# Allegro board STARRYSKY.brd (continued)
## Nets (continued)
B13_L10_P: J22.B32 U53.3(A2)
B13_L11_N: J22.B26 Q2.1(G) R109.2
B13_L11_P: J22.B27 Q3.1(G) R111.2
B13_L12_N: J22.A28
B13_L12_P: J22.A29
B13_L13_N: J22.B17 U40.1(B1)
B13_L13_P: J22.B18 U34.1(B1)
B13_L14_N: J22.B21 U36.1(B1)
B13_L14_P: J22.B22 U29.1(B1)
B13_L15_N: J22.B10 U38.1(B1)
B13_L15_P: J22.B11 U39.1(B1)
B13_L16_N: J22.B14 U45.1(B1)
B13_L16_P: J22.B15 U44.1(B1)
B13_L17_N: J22.B19 U33.1(B1)
B13_L17_P: J22.B20 U35.1(B1)
B13_L18_N: J22.B12 U27.1(B1)
B13_L18_P: J22.B13 U26.1(B1)
B13_L19_N: J22.A14
B13_L19_P: J22.A15
B13_L20_N: J22.A21
B13_L20_P: J22.A22
B13_L21_N: J22.A12
B13_L21_P: J22.A13
B13_L22_N: J22.A17
B13_L22_P: J22.A18
B13_L23_N: J22.A24
B13_L23_P: J22.A25
B13_L24_N: J22.A10 U32.1(B1)
B13_L24_P: J22.A11
B13_L25: J22.A9 U31.1(B1)
B33_L0: J23.B1
B33_L1_N: J23.B11 U48.B8(DQ2)
B33_L1_P: J23.B12 U48.B9(DQ1)
B33_L2_N: J23.B13 U48.C9(DQ3)
B33_L2_P: J23.B14
B33_L3_N: J23.B4
B33_L3_P: J23.B5
B33_L4_N: J23.B9 U48.C8(DQ4)
B33_L4_P: J23.B10 U48.A8(DQ0)
B33_L5_N: J23.B6
B33_L5_P: J23.B7
B33_L6_N: J23.A13 U48.D1(DQ10)
B33_L6_P: J23.A14
B33_L7_N: J22.B47 U41.6(A5)
B33_L7_P: J22.B48 U41.8(A7)
B33_L8_N: J22.B45 U41.1(A1)
B33_L8_P: J22.B46 U41.5(A4)
B33_L9_N: J23.B2
B33_L9_P: J23.B3
B33_L10_N: J22.A47 U41.4(A3)
B33_L10_P: J22.A48 U41.3(A2)
B33_L11_N: J22.B49 U41.9(A8)
B33_L11_P: J22.B50 U41.7(A6)
B33_L12_N: J22.A42
B33_L12_P: J22.A43
B33_L13_N: J23.A4
B33_L13_P: J23.A5 U48.A2(DQ15)
B33_L14_N: J23.A2 U48.B1(DQ14)
B33_L14_P: J23.A3
B33_L15_N: J23.A11 U48.C2(DQ11)
B33_L15_P: J23.A12 U48.D2(DQ9)
B33_L16_N: J23.A9 U48.B2(DQ13)
B33_L16_P: J23.A10
B33_L17_N: J13.5(DIO) J22.B42
B33_L17_P: J13.6(CLK) J22.B43
B33_L18_N: J22.B38 U52.4(A2)
B33_L18_P: J22.B39 U52.5(A1)
B33_L19_N: J23.A6
B33_L19_P: J23.A7
B33_L20_N: J22.A45
B33_L20_P: J22.A46
B33_L21_N: J22.A49 U43.4(A2)
B33_L21_P: J22.A50 U43.5(A1)
B33_L22_N: J13.2(DO) J22.B40
B33_L22_P: J13.1(CS#) J22.B41 R115.2
B33_L23_N: J22.A38
B33_L23_P: J22.A39
B33_L24_N: J22.A40
B33_L24_P: J22.A41
B33_L25: J23.A1 U48.C1(DQ12)
B34_L0: J23.B43
B34_L1_N: J23.A39 U48.H1(A8)
B34_L1_P: J23.A40 U48.G1(A12)
B34_L2_N: J23.A41 U48.H2(A7)
B34_L2_P: J23.A42 U48.H3(A6)
B34_L3_N: J23.A32
B34_L3_P: J23.A33 U48.G2(A11)
B34_L4_N: J23.A27 U48.F2(CLK)
B34_L4_P: J23.A28 U48.E1(DQ8)
B34_L5_N: J23.A30 U48.G3(A9)
B34_L5_P: J23.A31
B34_L6_N: J23.A34 U48.F1(UDQM)
B34_L6_P: J23.A35
B34_L7_N: J23.A37 U48.J3(A4)
B34_L7_P: J23.A38 U48.J2(A5)
B34_L8_N: J23.B41
B34_L8_P: J23.B42
B34_L9_N: J23.B30 U48.G8(BA1)
B34_L9_P: J23.B31 U48.J8(A2)
B34_L10_N: J23.B37
B34_L10_P: J23.B38
B34_L11_N: J23.B34 U48.H9(A10)
B34_L11_P: J23.B35 U48.J7(A3)
B34_L12_N: J23.B39
B34_L12_P: J23.B40 R185.2
B34_L13_N: J23.B27 U48.G7(BA0)
B34_L13_P: J23.B28
B34_L14_N: J23.B25 U48.G9(C\S\)
B34_L14_P: J23.B26 U48.F8(R\A\S\)
B34_L15_N: J23.B32 U48.H7(A0)
B34_L15_P: J23.B33 U48.H8(A1)
B34_L16_N: J23.B18
B34_L16_P: J23.B19
B34_L17_N: J23.B20 U48.E9(DQ7)
B34_L17_P: J23.B21 U48.F7(C\A\S\)
B34_L18_N: J23.B23 U48.E8(LDQM)
B34_L18_P: J23.B24 U48.F9(W\E\)
B34_L19_N: J23.A25
B34_L19_P: J23.A26 U48.F3(CKE)
B34_L20_N: J23.A20
B34_L20_P: J23.A21
B34_L21_N: J23.A18
B34_L21_P: J23.A19
B34_L22_N: J23.B16 U48.D9(DQ5)
B34_L22_P: J23.B17 U48.D8(DQ6)
B34_L23_N: J23.A16
B34_L23_P: J23.A17
B34_L24_N: J23.A23
B34_L24_P: J23.A24
B34_L25: J23.A43
B35_L0: J24.B45
B35_L1_N: J24.A43 U3.8(CHIPLINK_RX_SEND)
B35_L1_P: J24.A44 U3.7(CHIPLINK_RX_RST)
B35_L2_N: J24.A39 U3.4(CHIPLINK_RX_DATA2)
B35_L2_P: J24.A40 U3.3(CHIPLINK_RX_DATA3)
B35_L3_N: J21.38 J24.B41
B35_L3_P: J21.37 J24.B42
B35_L4_N: J24.A41 U3.6(CHIPLINK_RX_DATA0)
B35_L4_P: J24.A42 U3.5(CHIPLINK_RX_DATA1)
B35_L5_N: J24.A34 U3.141(CHIPLINK_RX_DATA7)
B35_L5_P: J24.A35 U3.142(CHIPLINK_RX_DATA6)
B35_L6_N: J24.A36 U3.143(CHIPLINK_RX_DATA5)
B35_L6_P: J24.A37 U3.144(CHIPLINK_RX_DATA4)
B35_L7_N: J21.40 J24.B43
B35_L7_P: J21.39 J24.B44
B35_L8_N: J21.36 J24.B39
B35_L8_P: J21.35 J24.B40
B35_L9_N: J21.18 J24.B34
B35_L9_P: J21.17 J24.B35
B35_L10_N: J21.11 J24.B29
B35_L10_P: J21.12 J24.B30
B35_L11_N: J21.16 J24.B32
B35_L11_P: J21.15 J24.B33
B35_L12_N: J21.20 J24.B36
B35_L12_P: J21.19 J24.B37
B35_L13_N: J21.9 J24.B27
B35_L13_P: J21.10 J24.B28
B35_L14_N: J24.A29 U3.137(CHIPLINK_TX_DATA0)
B35_L14_P: J24.A30 U3.138(CHIPLINK_TX_SEND)
B35_L15_N: J21.3 J24.B20
B35_L15_P: J21.4 J24.B21
B35_L16_N: J21.5 J24.B22
B35_L16_P: J21.6 J24.B23
B35_L17_N: J21.7 J24.B25
B35_L17_P: J21.8 J24.B26
B35_L18_N: J21.1 J24.B18
B35_L18_P: J21.2 J24.B19
B35_L19_N: J24.A27 U3.135(CHIPLINK_TX_DATA2)
B35_L19_P: J24.A28 U3.136(CHIPLINK_TX_DATA1)
B35_L20_N: J24.A32 U3.139(CHIPLINK_TX_RST)
B35_L20_P: J24.A33 U3.140(CHIPLINK_TX_CLK)
B35_L21_N: J24.A25 U3.133(CHIPLINK_TX_DATA4)
B35_L21_P: J24.A26 U3.134(CHIPLINK_TX_DATA3)
B35_L22_N: J24.A18
B35_L22_P: J24.A19
B35_L23_N: J24.A20
B35_L23_P: J24.A21 U3.126(CHIPLINK_TX_DATA7)
B35_L24_N: J24.A22 U3.131(CHIPLINK_TX_DATA6)
B35_L24_P: J24.A23 U3.132(CHIPLINK_TX_DATA5)
B35_L25: J24.A45 U3.9(CHIPLINK_RX_CLK)
CLK_CFG0: R35.1 SW5.9(B8) U3.100(CLK_CFG0)
CLK_CFG1: R36.1 SW5.10(B7) U3.99(CLK_CFG1)
CLK_CFG2: R33.1 SW5.11(B6) U3.98(CLK_CFG2)
CLK_CFG3: R32.1 SW5.12(B5) U3.97(CLK_CFG3)
CLK_CFG4: R31.1 SW5.13(B4) U3.96(CLK_CFG4)
CLK_CFG5: R29.1 SW5.14(B3) U3.95(CLK_CFG5)
CLK_CFG6: R28.1 SW5.15(B2) U3.94(CLK_CFG6)
CORE_DIP0: R42.1 SW7.7(B6) U3.79(CORE_DIP0)
CORE_DIP1: R41.1 SW7.8(B5) U3.78(CORE_DIP1)
CORE_DIP2: R40.1 SW7.9(B4) U3.77(CORE_DIP2)
CORE_DIP3: R39.1 SW7.10(B3) U3.76(CORE_DIP3)
FLASH_CLK: J6.6(CLK) U11.4(A)
FLASH_CS: J6.1(CS#) R61.2 U10.4(A)
FLASH_MISO: J6.2(DO) U14.4(A)
FLASH_MOSI: J6.5(DIO) U12.4(A)
FPGA_TCK: J8.1 J24.A50 U18.1(IN1) U18.10(OUT1)
FPGA_TDI: J8.9 J24.A48 U18.5(IN4) U18.6(OUT4)
FPGA_TDO: J8.3 J24.A47 U18.2(IN2) U18.9(OUT2)
FPGA_TMS: J8.5 J24.A49 U18.4(IN3) U18.7(OUT3)
HFP_BOOT0: R58.1 SW10.1 SW10.2 U16.44(BOOT0)
HFP_NRST: C74.1 SW9.1 SW9.2 U16.7(NRST)
HFP_PA2: R59.1 U16.12(PA2)
HFP_SPI1_CLK: U11.1(B1) U13.7(A6)
HFP_SPI1_CS: U10.1(B1) U13.6(A5)
HFP_SPI1_MISO: U13.8(A7) U14.1(B1)
HFP_SPI1_MOSI: U12.1(B1) U13.9(A8)
HFP_SWCLK: TP6.1 U16.37(PA14)
HFP_SWDIO: TP5.1 U16.34(PA13)
MAIN_DN: J1.A7(DN1) J1.B7(DN2) U9.4(A)
MAIN_DP: J1.A6(DP1) J1.B6(DP2) U7.4(A)
MR: C85.1 J24.B50 R77.2 SW14.1 SW14.2
OSC_25M_IN: R13.2 U3.91(OSC_25M_IN)
OSC_100M_IN: R5.2 U3.88(OSC_100M_IN)
PA_CTRL: R162.2 SW19.2 U49.1(CTRL) U51.1(CTRL)
PA_INLN: R167.1 U49.4(INN)
PA_INLP: R166.1 U49.3(INP)
PA_INRN: R172.1 U51.4(INN)
PA_INRP: R171.1 U51.3(INP)
PA_OUTLN: R177.1 U49.5(VON)
PA_OUTLP: R175.1 U49.8(VOP)
PA_OUTRN: R180.1 U51.5(VON)
PA_OUTRP: R178.1 U51.8(VOP)
PERIP_SEL: SW17.2 U26.6(SEL) U27.6(SEL) U29.6(SEL) U30.6(SEL) U31.6(SEL) U32.6(SEL) U33.6(SEL) U34.6(SEL) U35.6(SEL) U36.6(SEL) U37.6(SEL) U38.6(SEL) U39.6(SEL) U40.6(SEL) U44.6(SEL) U45.6(SEL)
PG_1V35: J24.B47 R11.1
PL_UART_VBUS: J19.A4B9(VBUS#A4B9) J19.B4A9(VBUS#B4A9)
PLL_CFG0: R25.1 SW4.5(B4) U3.101(PLL_CFG0)
PLL_CFG1: R23.1 SW4.6(B3) U3.102(PLL_CFG1)
PLL_CFG2: R21.1 SW4.7(B2) U3.103(PLL_CFG2)
PROG_SEL: SW8.2 U7.6(SEL) U9.6(SEL) U10.6(SEL) U11.6(SEL) U12.6(SEL) U14.6(SEL)
PS2_CLK: U25.4(A2) U45.4(A)
PS2_DAT: U25.5(A1) U44.4(A)
PS_MIO0: J25.B33
PS_MIO1: J25.A33
PS_MIO2: J25.A32 R82.2
PS_MIO3: J25.A31 R80.2
PS_MIO4: J25.A30 R67.1 SW13.3(B2)
PS_MIO5: J25.A28 R66.1 SW13.4(B1)
PS_MIO6: J25.A27 R79.2
PS_MIO7: J25.A26 R78.2
PS_MIO8: J25.A25 R76.2
PS_MIO9: J25.B32
PS_MIO10: J25.B31
PS_MIO11: J25.B30
PS_MIO12: J25.B28
PS_MIO13: J25.B27
PS_MIO14: J25.B26
PS_MIO15: J25.B25
PS_MIO16: J25.A23
PS_MIO17: J25.A22
PS_MIO18: J25.A21
PS_MIO19: J25.A20
PS_MIO20: J25.A18
PS_MIO21: J25.A17
PS_MIO22: J25.A16
PS_MIO23: J25.A15
PS_MIO24: J25.A13
PS_MIO25: J25.A12
PS_MIO26: J25.A11
PS_MIO27: J25.A10
PS_MIO28: J25.B23 U23.7(DATA4)
PS_MIO29: J25.B22 U23.31(DIR)
PS_MIO30: J25.B21 U23.29(STP)
PS_MIO31: J25.B20 U23.2(NXT)
PS_MIO32: J25.B18 U23.3(DATA0)
PS_MIO33: J25.B17 U23.4(DATA1)
PS_MIO34: J25.B16 U23.5(DATA2)
PS_MIO35: J25.B15 U23.6(DATA3)
PS_MIO36: J25.B13 R99.1
PS_MIO37: J25.B12 U23.9(DATA5)
PS_MIO38: J25.B11 U23.10(DATA6)
PS_MIO39: J25.B10 U23.13(DATA7)
PS_MIO40: J25.B8 R87.1
PS_MIO41: J25.B7 U19.6(A5)
PS_MIO42: J25.B6 U19.8(A7)
PS_MIO43: J25.B5 U19.9(A8)
PS_MIO44: J25.B3 U19.4(A3)
PS_MIO45: J25.B2 U19.5(A4)
PS_MIO46: C95.2 J25.B1 R92.2 U23.27(RESETB)
PS_MIO47: J7.9(CD) J25.A8 R75.2
PS_MIO48: J25.A7 U20.5(A1)
PS_MIO49: J25.A6 U20.4(A2)
PS_MIO50: J25.A5
PS_MIO51: J25.A3 Q1.1(G) R83.2
PS_MIO52: J25.A2 R85.1 SW15.3 SW15.4
PS_MIO53: J25.A1 R88.1 SW16.3 SW16.4
PS_SD_CLK: R70.1 U19.14(B6)
PS_SD_CMD: J7.3(CMD) R64.2 U19.15(B5)
PS_SD_D0: J7.7(DAT0) R72.2 U19.13(B7)
PS_SD_D1: J7.8(DAT1) R74.2 U19.12(B8)
PS_SD_D2: J7.1(DAT2) R65.2 U19.17(B3)
PS_SD_D3: J7.2(CD/DAT3) R68.2 U19.16(B4)
PS_SRST_B: C83.1 J24.B49 R69.2 SW12.1 SW12.2
PS_UART_DN: J9.A7(DN1) J9.B7(DN2) U22.5(D-)
PS_UART_DP: J9.A6(DP1) J9.B6(DP2) U22.4(D+)
PS_USB_DN: J10.2(D-) U23.19(DM)
PS_USB_DP: J10.3(D+) U23.18(DP)
SOC_PS2_CLK: U3.45(PS2_CLK) U45.3(B0)
SOC_PS2_DAT: U3.46(PS2_DAT) U44.3(B0)
SOC_SDRAM_ADDR00: U3.115(SDRAM_ADDR00) U5.H7(A0)
SOC_SDRAM_ADDR01: U3.10(SDRAM_ADDR01) U5.H8(A1)
SOC_SDRAM_ADDR02: U3.11(SDRAM_ADDR02) U5.J8(A2)
SOC_SDRAM_ADDR03: U3.12(SDRAM_ADDR03) U5.J7(A3)
SOC_SDRAM_ADDR04: U3.13(SDRAM_ADDR04) U5.J3(A4)
SOC_SDRAM_ADDR05: U3.14(SDRAM_ADDR05) U5.J2(A5)
SOC_SDRAM_ADDR06: U3.15(SDRAM_ADDR06) U5.H3(A6)
SOC_SDRAM_ADDR07: U3.16(SDRAM_ADDR07) U5.H2(A7)
SOC_SDRAM_ADDR08: U3.17(SDRAM_ADDR08) U5.H1(A8)
SOC_SDRAM_ADDR09: U3.18(SDRAM_ADDR09) U5.G3(A9)
SOC_SDRAM_ADDR10: U3.23(SDRAM_ADDR10) U5.H9(A10)
SOC_SDRAM_ADDR11: U3.24(SDRAM_ADDR11) U5.G2(A11)
SOC_SDRAM_ADDR12: U3.25(SDRAM_ADDR12) U5.G1(A12)
SOC_SDRAM_BA0: U3.26(SDRAM_BA0) U5.G7(BA0)
SOC_SDRAM_BA1: U3.27(SDRAM_BA1) U5.G8(BA1)
SOC_SDRAM_CAS: U3.119(SDRAM_CAS) U5.F7(C\A\S\)
SOC_SDRAM_CKE: U3.124(SDRAM_CKE) U5.F3(CKE)
SOC_SDRAM_CLK: U3.123(SDRAM_CLK) U5.F2(CLK)
SOC_SDRAM_CS: U3.121(SDRAM_CS) U5.G9(C\S\)
SOC_SDRAM_DATA00: U3.28(SDRAM_DATA00) U5.A8(DQ0)
SOC_SDRAM_DATA01: U3.29(SDRAM_DATA01) U5.B9(DQ1)
SOC_SDRAM_DATA02: U3.30(SDRAM_DATA02) U5.B8(DQ2)
SOC_SDRAM_DATA03: U3.31(SDRAM_DATA03) U5.C9(DQ3)
SOC_SDRAM_DATA04: U3.32(SDRAM_DATA04) U5.C8(DQ4)
SOC_SDRAM_DATA05: U3.33(SDRAM_DATA05) U5.D9(DQ5)
SOC_SDRAM_DATA06: U3.34(SDRAM_DATA06) U5.D8(DQ6)
SOC_SDRAM_DATA07: U3.35(SDRAM_DATA07) U5.E9(DQ7)
SOC_SDRAM_DATA08: U3.44(SDRAM_DATA08) U5.E1(DQ8)
SOC_SDRAM_DATA09: U3.43(SDRAM_DATA09) U5.D2(DQ9)
SOC_SDRAM_DATA10: U3.42(SDRAM_DATA10) U5.D1(DQ10)
SOC_SDRAM_DATA11: U3.41(SDRAM_DATA11) U5.C2(DQ11)
SOC_SDRAM_DATA12: U3.40(SDRAM_DATA12) U5.C1(DQ12)
SOC_SDRAM_DATA13: U3.39(SDRAM_DATA13) U5.B2(DQ13)
SOC_SDRAM_DATA14: U3.38(SDRAM_DATA14) U5.B1(DQ14)
SOC_SDRAM_DATA15: U3.37(SDRAM_DATA15) U5.A2(DQ15)
SOC_SDRAM_DQM0: U3.117(SDRAM_DQM0) U5.E8(LDQM)
SOC_SDRAM_DQM1: U3.118(SDRAM_DQM1) U5.F1(UDQM)
SOC_SDRAM_RAS: U3.122(SDRAM_RAS) U5.F8(R\A\S\)
SOC_SDRAM_WE: U3.120(SDRAM_WE) U5.F9(W\E\)
SOC_SPI_CLK: R20.2 U11.3(B0) U13.4(A3)
SOC_SPI_CS0: R22.2 U10.3(B0)
SOC_SPI_CS1: R24.2 U13.1(A1)
SOC_SPI_MISO: R37.2 U13.5(A4) U14.3(B0)
SOC_SPI_MOSI: R38.2 U12.3(B0) U13.3(A2)
SOC_UART_RX: U3.47(UART_RX) U15.4(A2)
SOC_UART_TX: U3.48(UART_TX) U15.5(A1)
SOC_VGA_B0: U3.61(VGA_B0) U37.3(B0)
SOC_VGA_B1: U3.62(VGA_B1) U38.3(B0)
SOC_VGA_B2: U3.63(VGA_B2) U39.3(B0)
SOC_VGA_B3: U3.64(VGA_B3) U40.3(B0)
SOC_VGA_G0: U3.57(VGA_G0) U34.3(B0)
SOC_VGA_G1: U3.58(VGA_G1) U33.3(B0)
SOC_VGA_G2: U3.59(VGA_G2) U35.3(B0)
SOC_VGA_G3: U3.60(VGA_G3) U36.3(B0)
SOC_VGA_HS: U3.65(VGA_HS) U26.3(B0)
SOC_VGA_R0: U3.49(VGA_R0) U29.3(B0)
SOC_VGA_R1: U3.50(VGA_R1) U30.3(B0)
SOC_VGA_R2: U3.51(VGA_R2) U31.3(B0)
SOC_VGA_R3: U3.56(VGA_R3) U32.3(B0)
SOC_VGA_VS: U3.66(VGA_VS) U27.3(B0)
SYS_RST: R30.1 U3.81(SYS_RST)
USB_HOST_VBUS: C92.1 C94.1 J10.1(VCC) R90.1 U21.1(OUT)
USB_VBUS: R90.2 U23.22(VBUS)
USB_XIN: C96.1 R97.2 U23.26(REFCLK) X2.3(OUT2)
USB_XOUT: C100.1 R97.1 U23.25(XO) X2.1(OUT1)
VGA_B: J12.3 R113.2 R116.2 R117.2 R119.2
VGA_B0: R113.1 U37.4(A)
VGA_B1: R116.1 U38.4(A)
VGA_B2: R117.1 U39.4(A)
VGA_B3: R119.1 U40.4(A)
VGA_G: J12.2 R120.2 R121.2 R122.2 R123.2
VGA_G0: R120.1 U34.4(A)
VGA_G1: R121.1 U33.4(A)
VGA_G2: R122.1 U35.4(A)
VGA_G3: R123.1 U36.4(A)
VGA_HS: U26.4(A) U46.5(A1)
VGA_R: J12.1 R124.2 R125.2 R126.2 R127.2
VGA_R0: R124.1 U29.4(A)
VGA_R1: R125.1 U30.4(A)
VGA_R2: R126.1 U31.4(A)
VGA_R3: R127.1 U32.4(A)
VGA_VS: U27.4(A) U46.4(A2)
N00440: R1.2 R9.1 U1.7(ADJ)
N86942: J5.1(DAT2) R49.2
N86952: C69.1 C70.1 J5.4(VDD) L5.1 R48.1 R49.1 R50.1 R52.1 R53.1 R54.1
N87161: J5.8(DAT1) R53.2
N87165: J5.9(CD) R54.2
N88472: J5.5(CLK) R51.2
N431069: J9.A5(CC1) R86.2
N431077: J9.B5(CC2) R89.1
N431628: C101.1 C102.1 R95.2 R98.2 R103.1 U22.7(REGIN) U22.8(VBUS)
N431648: R103.2 U22.9(R\S\T\)
N431656: R100.1 U22.25(RXD)
N431784: R101.1 U22.26(TXD)
N431936: C105.1 U22.6(VDD)
N433168: C86.1 C87.1 J7.4(VDD) L6.1 R64.1 R65.1 R68.1 R72.1 R74.1 R75.1
N433298: J7.5(CLK) R70.2
N435237: R84.2 U19.10(OE)
N436006: R87.2 U19.7(A6)
N437148: R102.2 U23.24(RBIAS)
N438146: C103.1 U23.20(VDD33)
N441316: R96.1 U23.23(ID)
N449849: C113.1 J12.14 R114.1
N450407: C114.1 J12.13 R118.1
N498562: J1.A5(CC1) R3.2
N498570: J1.B5(CC2) R7.1
N507684: R59.2 SW11.1 SW11.2
N507712: C77.1 U16.6(PD1-OSC_OUT) X1.3(OUT2)
N507720: C75.1 U16.5(PD0-OSC_IN) X1.1(OUT1)
N507990: LED2.1 R60.1
N508938: R60.2 U16.11(PA1)
N559792: LED3.1 R81.2
N575792: C111.1 U28.2(OSCO) X3.2(OUT2)
N575796: C109.1 U28.1(OSCI) X3.1(OUT1)
N624567: R10.2 R15.1 U2.7(ADJ)
N629111: R16.2 R19.1 U4.7(ADJ)
N634293: D1.2 F1.1 SW3.1
N645689: SW2.2 SW3.2
N717871: LED6.4(DIN) LED7.2(DOUT)
N717951: LED8.4(DIN) LED9.2(DOUT)
N717983: LED6.2(DOUT) LED9.4(DIN)
N774966: R106.2 U25.6(OE)
N1016845: C131.1 R136.2 U47.2(DVDD) U47.3(PVDD)
N1025881: C140.1 R139.2 U47.28(CCLK)
N1025885: C142.1 R141.2 U47.27(CDATA)
N1032099: C136.1 U47.12(LOUT1)
N1032103: C137.1 U47.11(ROUT1)
N1032107: C138.1 U47.15(LOUT2)
N1032111: C141.1 U47.14(ROUT2)
N1032115: C136.2 R138.1
N1032235: C137.2 R140.1
N1032239: C138.2 R142.1
N1032243: C141.2 R147.1
N1033352: C128.1 C132.1 R134.1 U47.17(AVDD)
N1035096: C139.2 R143.1
N1035873: J15.4 R143.2
N1036255: C135.2 R137.1
N1036291: J15.5 R137.2
N1040423: C154.2 U49.2(BYPASS)
N1041149: C157.1 CP1.1 L8.1 U49.6(VCC)
N1043510: C175.2 U51.2(BYPASS)
N1043522: C178.1 CP2.1 L9.1 U51.6(VCC)
N1044805: C155.1 R166.2
N1045243: C156.1 R167.2
N1046845: C176.1 R171.2
N1046905: C177.1 R172.2
N1047489: C184.2 C188.1 J18.1 R175.2
N1047504: C187.2 C188.2 J18.2 R177.2
N1048861: C189.2 C191.1 J20.1 R178.2
N1048873: C190.2 C191.2 J20.2 R180.2
N1060725: R26.2 R30.2 U6.1(R\E\S\E\T\)
N1060741: C39.1 U6.4(CT)
N1060773: C40.1 R27.2 R34.1 U6.5(SENSE)
N1061023: SW6.3 SW6.4 U6.3(M\R\)
N1068465: TP2.1 U3.89(OSC_100M_OUT)
N1068527: TP1.1 U3.92(OSC_25M_OUT)
N1069993: R24.1 U3.73(SPI_CS_1)
N1070009: R22.1 U3.74(SPI_CS_0)
N1070035: R20.1 U3.75(SPI_CLK)
N1070331: R37.1 U3.67(SPI_MISO)
N1070335: R38.1 U3.68(SPI_MOSI)
N1070971: TP3.1 U3.80(CLKDIV4_OUT)
N1075867: C7.1 J2.5(OUT) R5.1
N1075871: C8.1 C9.1 J2.8(VDD) L1.1 R8.2
N1075903: J2.1(ED) R8.1
N1076105: C16.1 J4.5(OUT) R13.1
N1076109: C17.1 C18.1 J4.8(VDD) L2.1 R14.2
N1076141: J4.1(ED) R14.1
N1077806: R46.1 U8.25(RXD)
N1077810: R47.1 U8.26(TXD)
N1077826: C64.1 C65.1 R43.2 R45.2 R56.1 U8.7(REGIN) U8.8(VBUS)
N1077882: C66.1 U8.6(VDD)
N1077894: R56.2 U8.9(R\S\T\)
N1078264: R57.2 U15.6(OE)
N1096893: R55.2 U13.10(OE)
N1118220: J24.B48 R182.1
N1153235: C160.1 C161.1 R164.2 R165.2 R173.1 U50.7(REGIN) U50.8(VBUS)
N1153239: R173.2 U50.9(R\S\T\)
N1153317: R169.1 U50.25(RXD)
N1153457: R170.1 U50.26(TXD)
N1153581: C181.1 U50.6(VDD)
N1154399: J16.1(DAT2) R144.2
N1154403: C149.1 C150.1 J16.4(VDD) L7.1 R144.1 R145.1 R146.1 R157.1 R159.1 R160.1
N1154433: J16.8(DAT1) R159.2
N1154437: J16.9(CD) R160.2
N1154485: J16.5(CLK) R155.2
N1166259: C129.1 J14.3(RESET) R133.2
N1168293: C127.2 J14.1(LEDA) R132.2
N1175177: R128.2 U41.10(OE)
N1177861: R130.2 U43.6(OE)
N1178612: R174.2 U52.6(OE)
N1182217: J19.B5(CC2) R181.1
N1182225: J19.A5(CC1) R179.2
N1236156: R131.2 U46.6(OE)
N1258808: R93.2 U21.4(EN) U23.17(CPEN)
N1261388: R94.1 U21.3(O\C\)
N1264101: R99.2 U23.1(CLKOUT)
N1283602: J17.5 R156.2 R158.2
N1283632: J17.4 R161.2
N1283819: C144.2 C145.2 C146.1 R158.1
N1283976: C146.2 C147.2 C148.1 R154.1 R161.1
N1284993: C143.2 R152.2 R154.2
N1291698: R176.2 U53.10(OE)
N1323900: C192.1 R183.2 R184.2 X4.1(OE) X4.4(VDD)
N1324938: R185.1 X4.3(OUT)
N1330493: R71.2 SW13.1(A1)
N1330497: R73.2 SW13.2(A2)
N1342417: R91.2 U20.6(OE)
N1355350: LED3.2 Q1.3(D)
N1362704: LED4.1 R104.2
N1362750: LED4.2 Q2.3(D)
N1364060: LED5.1 R110.2
N1364098: LED5.2 Q3.3(D)
N1388907: R44.2 SW8.3
N1391083: R105.2 SW17.3
N1427381: R129.2 U42.6(OE)
N1454879: R4.2 R6.2 U1.2(EN)
N1456438: R11.2 R12.2 U2.2(EN)
N1456943: R17.2 R18.2 U4.2(EN)
N9731310: SW1.2 SW2.1
N9740650: LED1.1 R2.1
N9768250: R63.1 U16.20(PB2)

Pads without a net: H1 1; H2 1; H3 1; H4 1; J1 5 6 A8 B8; J3 5 6 A5 A6 A7 A8 B5 B6 B7 B8; J5 14 15; J7 14 15; J8 6 7 8; J9 5 6 A8 B8; J10 7 8; J11 2 6; J12 4 9 11 12 15; J15 8 9; J16 14 15; J17 6 7 8 9; J19 5 6 A8 B8; J21 13 14; J24 A2 A3 A5 A6 A8 A9 A11 A12 A14 A15 B2 B3 B5 B6 B8 B9 B11 B12 B14 B15; J25 A35 A36 A37 A38 A39 A40 A41 A42 B35 B36 B37 B38 B39 B40 B41 B42; LED8 2; SW3 3 4 5 6; SW4 1 8; SW5 1 16; SW7 1 2 11 12; SW8 4 5 6 7 8; SW17 4 5 6 7 8; SW19 3 4 5 6 7 8; U1 1 4 5; U2 1 4 5; U4 1 4 5; U5 E2; U8 1 2 10 11 12 13 14 15 16 17 18 19 20 21 22 23 24 27 28; U16 1 2 3 4 10 13 18 19 21 22 29 30 31 38 39 40 41 42 43 45 46; U19 1 3 18 20; U22 1 2 10 11 12 13 14 15 16 17 18 19 20 21 22 23 24 27 28; U23 12 15 16; U28 3 7; U42 1 4; U47 9 23 24 25; U48 E2; U50 1 2 10 11 12 13 14 15 16 17 18 19 20 21 22 23 24 27 28; U53 7 8 9 12 13 14

## Via types
v1: diameter 0.457, hole 0.203, TOP to BOTTOM, 1481 vias

## Routing (per net, layer and track width the routed paths; a pad name or vN(x,y) marks a point on that pad's centre or on a via; arc(x,y) is an arc through that point)
3V3_HFP_SPI1_CLK: length 25.4
  TOP w0.203: U13.14 v1(52.09,16.46) ; U16.15 v1(37.59,8.56)
  BOTTOM w0.203: v1(37.59,8.56) 38.44,8.56 40.22,6.79 41.34,6.79 41.89,7.34 41.89,8.72 42.36,9.19 42.89,9.19 45.83,12.14 51.4,12.14 52.09,12.83 v1(52.09,16.46)
3V3_HFP_SPI1_CS: length 25.5
  TOP w0.203: U13.15 v1(52.74,15.6) ; U16.14 v1(36.66,8.06)
  BOTTOM w0.203: v1(36.66,8.06) 38.27,8.06 40.01,6.32 42.58,6.32 43.06,6.79 43.06,6.79 43.33,7.06 43.33,7.06 45.57,9.31 46.98,9.31 49.15,11.48 51.39,11.48 52.74,12.83 v1(52.74,15.6)
3V3_HFP_SPI1_MISO: length 20.7
  TOP w0.203: U13.13 v1(51.44,15.6) ; U16.16 v1(36.66,9.06)
  BOTTOM w0.203: v1(51.44,15.6) 50.98,15.6 48.19,12.81 44.81,12.81 41.06,9.06 v1(36.66,9.06)
3V3_HFP_SPI1_MOSI: length 19.2
  TOP w0.203: U13.12 v1(50.79,16.46) ; U16.17 v1(37.59,9.56)
  BOTTOM w0.203: v1(50.79,16.46) 50.46,16.14 49.98,16.14 47.06,13.22 41.82,13.22 38.17,9.56 v1(37.59,9.56)
3V3_HFP_SPI2_CLK: length 10.2
  TOP w0.203: U16.26 v1(36.81,16.53) ; U17.6 v1(32.51,21.07)
  ART03 w0.203: v1(32.51,21.07) 33.18,20.41 33.18,19.4 36.04,16.53 v1(36.81,16.53)
3V3_HFP_SPI2_CS: length 8.6
  TOP w0.203: U16.25 37.31,15.65 v1(37.56,15.9) 38.09,16.43 U17.1 ; R62.2 v1(34.42,17.16)
  ART03 w0.203: v1(34.42,17.16) 35.69,15.9 v1(37.56,15.9)
3V3_HFP_SPI2_MISO: length 6.6
  TOP w0.203: U17.2 37.28,19.8 36.14,18.66 36.14,15.56 36.31,15.39 U16.27
3V3_HFP_SPI2_MOSI: length 11
  TOP w0.203: U17.5 33.17,22.34 35.81,19.7 U16.28
3V3_HFP_USB_DN: length 16.5
  TOP w0.203: v1(42.44,11.32) U9.1 ; U16.32 33.81,13.69 33.72,13.59 33.72,12.22 v1(33.98,11.95)
  ART03 w0.203: v1(42.44,11.32) 43.7,11.32 43.91,11.11 43.91,10.83 43.8,10.72 34.4,10.72 33.72,11.4 33.72,11.69 v1(33.98,11.95)
3V3_HFP_USB_DP: length 17.5
  TOP w0.203: v1(45.68,11.32) U7.1 ; v1(33.15,11.95) 33.41,12.22 33.41,13.59 33.31,13.69 U16.33
  ART03 w0.203: v1(33.15,11.95) 33.41,11.69 33.41,11.28 34.27,10.41 43.93,10.41 44.21,10.7 44.21,11.11 44.42,11.32 v1(45.68,11.32)
3V3_PL_AUD_ASDOUT: length 12
  TOP w0.203: U53.15 v1(76.69,62.3) ; R153.1 v1(85.09,57.79)
  ART03 w0.203: v1(85.09,57.79) 84.04,58.84 81.25,58.84 77.8,62.3 v1(76.69,62.3)
3V3_PL_AUD_DSDIN: length 6.6
  TOP w0.203: U53.16 79.03,62.95 81.56,60.42 R151.1
3V3_PL_AUD_LRCK: length 8
  TOP w0.203: v1(80.4,60.53) 80.4,60.05 81.04,59.42 R150.1 ; U53.17 v1(76.69,63.6)
  ART03 w0.203: v1(76.69,63.6) 77.34,63.6 v1(80.4,60.53)
3V3_PL_AUD_MCLK: length 4.5
  TOP w0.203: R148.1 81.52,64.9 80.88,65.55 U53.20
3V3_PL_AUD_SCLK: length 4.9
  TOP w0.203: R149.1 78.69,64.25 U53.18
3V3_PL_I2C_SCL: length 51
  TOP w0.203: v1(87.24,55.21) 86.92,54.89 86.92,54.71 85.76,53.55 U24.6 84.56,53.55 83.99,52.98 83.99,52.83 R107.1 ; U43.8 75.8,53.09 75.6,53.3 v1(75.6,57.44) 73.91,59.13 71.11,59.13 70.77,58.79 70.77,57.64 71.2,57.21 U28.6
  ART03 w0.203: v1(87.24,55.21) 87.24,56.33 87.73,56.81 87.73,58.51 85.78,60.46 82.48,60.46 81.66,61.28 81.66,63.69 83.35,65.37 85.74,65.37 v1(86.71,66.35)
  ART06 w0.203: v1(75.6,57.44) 76.16,58 83.19,58 85.98,55.21 v1(87.24,55.21)
3V3_PL_I2C_SDA: length 44.7
  TOP w0.203: U28.5 73.56,58.48 v1(73.79,58.25) 74.34,57.69 74.34,53.47 73.96,53.09 U43.1 ; v1(85.17,56.73) 85.16,56.72 U24.5 84.56,54.82 83.82,54.08 83.82,53.66 R108.1
  ART03 w0.203: v1(85.17,56.73) 85.57,57.12 85.57,58.52 84.16,59.92 82.22,59.92 80.39,61.75 80.39,64.02 82.49,66.12 83.83,66.12 84.73,67.01 87.05,67.01 v1(87.71,66.35)
  ART06 w0.203: v1(73.79,58.25) 74.53,58.98 82.91,58.98 v1(85.17,56.73)
3V3_PL_LCD_CS: length 15.4
  TOP w0.203: J14.8 v1(102.13,80.71)
  BOTTOM w0.203: U41.16 94.64,71.59 96.07,73.01 96.07,73.67 98.92,76.52 98.92,77.05 102.13,80.26 v1(102.13,80.71)
3V3_PL_LCD_DC: length 11.8
  TOP w0.203: v1(99.85,80.99) 100.13,80.71 J14.4
  BOTTOM w0.203: U41.20 93.52,74.19 99.85,80.52 v1(99.85,80.99)
3V3_PL_LCD_MOSI: length 14.2
  TOP w0.203: J14.5 v1(100.63,81.36)
  BOTTOM w0.203: v1(100.63,81.36) 100.63,80.58 94.39,74.33 94.39,73.54 93.74,72.89 U41.18
3V3_PL_LCD_SCLK: length 14.2
  TOP w0.203: J14.6 v1(101.13,80.71)
  BOTTOM w0.203: U41.17 94.42,72.24 95.52,73.33 95.52,74.02 97.98,76.49 97.98,76.95 101.13,80.11 v1(101.13,80.71)
3V3_PL_SPI_CLK: length 17.3
  BOTTOM w0.203: U41.13 90.92,69.64 90.38,69.1 90.38,66.98 90.17,66.77 90.17,66.77 89.9,66.5 89.9,66.5 89.29,65.89 82.1,65.89 R155.1
3V3_PL_SPI_CS: length 14
  BOTTOM w0.203: U41.15 91.09,70.94 88.65,73.38 83.86,73.38 82.53,72.05 J16.2 R145.2
3V3_PL_SPI_MISO: length 18.9
  ART03 w0.203: v1(91.41,68.99) 90.95,68.99 90.39,68.42 79.09,68.42 v1(78.41,67.74)
  BOTTOM w0.203: J16.7 R157.2 77.61,69.58 78.41,68.78 v1(78.41,67.74) ; U41.12 v1(91.41,68.99)
3V3_PL_SPI_MOSI: length 13.8
  ART03 w0.203: v1(91.41,70.29) 90.3,71.4 83.26,71.4 v1(81.43,69.58)
  BOTTOM w0.203: U41.14 v1(91.41,70.29) ; J16.3 v1(81.43,69.58)
3V3_PL_UART_DN: length 7.2
  TOP w0.203: v1(78.27,79.27) J19.A7 78.27,77.34 78.37,77.24 78.37,76.95 78.12,76.7 78.12,75.12 78.02,75.02 U50.5 ; J19.B7 v1(79.27,79.27)
  ART03 w0.203: v1(78.27,79.27) v1(79.27,79.27)
3V3_PL_UART_DP: length 7.7
  TOP w0.203: U50.4 78.52,75.02 78.43,75.12 78.43,76.58 78.68,76.83 78.68,77.24 78.77,77.34 J19.A6 78.77,79.42 78.46,79.73 78.08,79.73 77.77,79.42 J19.B6
3V3_PL_UART_RX: length 10
  TOP w0.203: R170.2 v1(83.95,72.83) ; U52.1 v1(77.65,67.9)
  ART03 w0.203: v1(83.95,72.83) 82.02,72.83 77.65,68.46 v1(77.65,67.9)
3V3_PL_UART_TX: length 5.8
  TOP w0.203: R169.2 83.34,70.33 81.49,68.48 80.82,68.48 80.24,67.9 U52.8
3V3_PL_WS2812: length 8.8
  TOP w0.203: LED7.4 8.32,70.92 9.07,70.17 11.95,70.17 13.87,72.1 U42.8
3V3_PS_UART_RX: length 9.1
  TOP w0.203: U20.1 18.17,60.27 18.17,60.27 v1(18.17,60.32) ; R101.2 v1(13.34,66.01)
  BOTTOM w0.203: v1(13.34,66.01) 18.17,61.18 v1(18.17,60.32)
3V3_PS_UART_TX: length 5
  TOP w0.203: U20.8 18.17,62.92 16.19,64.9 16.19,65.26 15.44,66.01 R100.2
3V3_SOC_SPI_CLK: length 44.6
  TOP w0.203: R51.1 v1(14.74,17.47) ; U13.17 v1(54.04,15.6)
  ART03 w0.203: v1(54.04,15.6) 54.04,16.56 53.24,17.35 50.79,17.35 50.01,18.13 41.97,18.13 39.28,15.44 34.63,15.44 33,17.07 30.79,17.07 30.39,17.47 v1(14.74,17.47)
3V3_SOC_SPI_CS1: length 43.5
  TOP w0.203: v1(17.43,13.87) J5.2 R48.2 ; U13.20 v1(55.99,15.6)
  ART03 w0.203: v1(55.99,15.6) 53.89,13.51 21.34,13.51 20.99,13.87 v1(17.43,13.87)
3V3_SOC_SPI_MISO: length 48.8
  TOP w0.203: U13.16 v1(53.39,16.46) ; v1(15.4,13.84) 14.89,13.33 12.59,13.33 11.93,14 J5.7 R52.2
  ART03 w0.203: v1(53.39,16.46) 52.79,16.46 52.11,15.79 52.11,15.4 51.85,15.15 49.95,15.15 49.7,15.39 41.24,15.39 40.99,15.64 40.3,15.64 39.64,14.99 28.65,14.99 28.07,15.58 23.05,15.58 22.64,15.17 16.73,15.17 v1(15.4,13.84)
3V3_SOC_SPI_MOSI: length 44.9
  TOP w0.203: U13.18 v1(54.69,16.46) ; R50.2 J5.3 v1(16.33,13.87)
  ART03 w0.203: v1(54.69,16.46) 54.69,15.58 53.77,14.67 46.71,14.67 46.46,14.91 46.08,14.91 45.67,14.5 16.97,14.5 v1(16.33,13.87)
3V3_SOC_UART_DN: length 26.7
  TOP w0.203: U9.3 42.63,9.07 49.01,9.07 50.75,7.33 54.47,7.33 57.63,10.49 63.46,10.49 63.97,11 63.97,11.94 64.06,12.04 U8.5
3V3_SOC_UART_DP: length 24.2
  TOP w0.203: U8.4 63.56,12.04 63.66,11.94 63.66,11.12 63.33,10.8 63,10.8 62.8,11 62.19,11 61.99,10.8 61.38,10.8 61.17,11 60.56,11 60.36,10.8 59.75,10.8 59.55,11 58.94,11 58.73,10.8 57.5,10.8 54.34,7.64 50.88,7.64 49.14,9.38 44.74,9.38 44.6,9.52 44.6,9.81 44.81,10.02 U7.3
3V3_SOC_UART_RX: length 9.5
  TOP w0.203: R47.2 v1(58.21,14.37) ; U15.1 v1(63.96,18.91)
  ART03 w0.203: v1(58.21,14.37) 62.75,18.91 v1(63.96,18.91)
3V3_SOC_UART_TX: length 5
  TOP w0.203: U15.8 61.86,18.91 58.82,15.87 R46.2
3V3_VGA_HS: length 7.8
  TOP w0.203: U46.8 v1(52.34,69.38)
  ART03 w0.203: v1(52.34,69.38) 50.28,69.38 49.74,68.84 46.21,68.84 v1(45.71,68.35)
3V3_VGA_VS: length 5.7
  TOP w0.203: U46.1 v1(49.24,69.38)
  ART03 w0.203: v1(49.24,69.38) 45.75,69.38 v1(44.71,68.35)
5V_DC: length 12.8
  TOP w0.356: SW2.3 90.9,3.14 ; SW2.3 89.3,0.78 ; SW2.3 91.35,0.78 ; SW2.3 88.99,1.23
  TOP w1.016: 90.33,3.18 SW2.3 ; SW2.3 91.35,2.83 ; SW2.3 88.95,1.8 ; SW2.3 91.71,1.8 ; SW2.3 89.3,2.83
5V_IN: length 62.6
  TOP w0.305: U25.7 66.69,71.83 v1(67.19,72.33)
  TOP w0.406: v1(13.11,67.09) 12.72,66.7 12.72,66.34 12.11,65.73 8.83,65.73 8.32,66.25 LED7.1
  TOP w0.508: LED6.1 2.72,67.73 C118.1 v1(1.57,67.12) ; R43.1 v1(68.44,9.81) ; v1(67.19,72.33) 67.19,73.83 68.19,74.83 v1(73.09,74.83) ; R165.1 v1(73.09,74.83) ; v1(73.09,74.83) v1(73.09,73.83) R164.1 ; v1(97.4,41.67) v1(96.41,41.67) v1(96.41,42.6) ; v1(97.4,51.81) v1(96.41,51.81) v1(96.41,52.74) ; R95.1 v1(11.56,55.29) ; v1(1.57,73.82) C116.1 2.74,74.43 LED9.1 ; R45.1 v1(67.44,9.81) ; C117.1 v1(13.11,67.09) ; LED8.1 v1(9.24,74.1) ; U21.5 v1(24.1,50.9) ; R98.1 v1(12.56,55.29) ; C115.1 v1(13.09,73.82)
  ART03 w0.356: 66.66,78.69 J11.4 ; J11.4 68.62,78.69 ; J11.4 66.9,79.43 ; J11.4 67.64,79.67 ; J11.4 67.64,77.71 ; J11.4 68.38,77.94 ; J11.4 66.9,77.94 ; J11.4 68.38,79.43
  BOTTOM w0.203: J25.B47 v1(25.08,53.15) ; J25.B46 26.43,52.75 v1(26.57,52.9) ; J25.A48 v1(28.28,53.55) ; J25.A47 v1(29.69,53.15) ; J25.B50 v1(26.49,54.35) ; J25.B49 v1(25.08,53.95) ; J25.A46 28.34,52.75 v1(28.19,52.9) ; J25.A50 v1(28.28,54.35) ; J25.A49 v1(29.69,53.95) ; J25.B48 v1(26.49,53.55)
  BOTTOM w0.508: v1(13.11,67.09) 10.66,64.64 10.66,61.26 11.56,60.36 v1(11.56,55.29) v1(12.56,55.29)
  vias: v1(93.55,13.24) v1(93.55,11.97) v1(93.55,10.7) v1(94.82,13.24) v1(94.82,11.97) v1(94.82,10.7) v1(96.09,13.24) v1(96.09,11.97) v1(96.09,10.7) v1(97.36,13.24) v1(97.36,11.97) v1(97.36,10.7) v1(98.63,13.24) v1(98.63,11.97) v1(98.63,10.7) v1(103.59,31.14) v1(103.59,25.3) v1(103.59,19.46) v1(105.37,31.14) v1(105.37,25.3) v1(105.37,19.46) v1(106.37,31.14) v1(106.37,29.05) v1(106.37,25.3) v1(106.37,23.21) v1(106.37,19.46) v1(106.37,17.37) v1(107.64,25.3) v1(107.64,24.03) v1(107.64,19.46) v1(107.64,18.19) v1(107.71,31.15) v1(107.71,29.88) v1(108.91,25.3) v1(108.91,24.03) v1(108.91,19.46) v1(108.91,18.19) v1(108.98,31.15) v1(108.98,29.88) v1(110.18,25.3) v1(110.18,24.03) v1(110.18,19.46) v1(110.18,18.19) v1(110.25,31.15) v1(110.25,29.88)
5V_PS2_CLK: length 5
  TOP w0.203: U25.1 62.06,72.33 60.84,73.55 J11.5
5V_PS2_DAT: length 7.9
  TOP w0.203: J11.1 62.94,74.55 65.16,72.33 U25.8
5V_VBUS1: length 11.3
  ART06 w1.016: 81.35,11.2 SW1.1 ; SW1.1 82.73,12.58 ; SW1.1 81.71,12.23 ; SW1.1 82.73,9.82 ; SW1.1 83.76,12.23 ; SW1.1 83.76,10.18 ; SW1.1 84.11,11.2 ; SW1.1 81.71,10.18
  vias: v1(59.97,4.61) v1(59.97,3.34) v1(59.97,2.07) v1(61.24,4.61) v1(61.24,3.34) v1(61.24,2.07) v1(62.51,4.61) v1(62.51,3.34) v1(62.51,2.07) v1(63.78,4.61) v1(63.78,3.34) v1(63.78,2.07) v1(65.05,4.61) v1(65.05,3.34) v1(65.05,2.07)
5V_VBUS2: length 12.8
  ART03 w0.356: SW1.3 83.76,0.78 ; SW1.3 81.4,1.23 ; SW1.3 83.3,3.14 ; SW1.3 81.71,0.78
  ART03 w1.016: 83.76,2.83 SW1.3 ; SW1.3 84.11,1.8 ; SW1.3 82.73,3.18 ; SW1.3 81.35,1.8 ; SW1.3 81.71,2.83
  vias: v1(2.06,63.65) v1(2.06,62.38) v1(2.06,61.11) v1(2.06,59.84) v1(2.06,58.57) v1(3.33,63.65) v1(3.33,62.38) v1(3.33,61.11) v1(3.33,59.84) v1(3.33,58.57) v1(4.6,63.65) v1(4.6,62.38) v1(4.6,61.11) v1(4.6,59.84) v1(4.6,58.57)
GND: length 2009
  TOP w0.203: U50.3 v1(79.02,75.08) ; U44.2 59.61,64.48 59.4,64.68 57.28,64.68 57.07,64.48 U45.2 ; U8.3 v1(63.06,11.91) ; U22.3 v1(11.27,61.51) ; v1(81.36,52.09) 81.82,51.64 81.82,51.4 81.98,51.25 C106.2 ; U3.90 56.13,51.38 v1(55.86,51.12) ; U16.23 v1(39.77,12.56)
  TOP w0.254: v1(66.49,69.77) 66.49,69.29 66.7,69.09 Q3.2
  TOP w0.279: v1(46.66,54.23) 46.91,54.23 47.13,54.01 U3.108 ; U52.2 77.61,67.4 v1(77.8,67.21) ; U3.109 44.11,50.88 v1(43.88,51.11) ; U3.52 v1(65.4,40.88) ; v1(32.6,15.68) 32.31,15.39 U16.35 ; U3.84 v1(59.13,54.11) ; v1(43.81,40.26) 43.93,40.38 U3.130 ; v1(35.11,4.46) 35.31,4.66 U16.8 v1(35.31,7.02) ; U16.47 v1(31.27,8.06) ; U3.112 v1(46.36,49.38) ; v1(48.59,54.16) 48.59,54.12 48.63,54.08 U3.105 ; v1(43.65,49.21) 43.98,48.88 U3.113 ; v1(57.13,30.15) U3.21 57.13,32.51 56.98,32.66 56.28,32.66 56.13,32.51 U3.19 ; U3.72 v1(65.4,50.88) ; U3.86 v1(58.13,54.11) ; U3.69 v1(65.4,49.38) ; U3.54 v1(65.4,41.88) ; U3.128 v1(43.74,41.38)
  TOP w0.305: U43.2 v1(72.58,52.59) ; U15.2 v1(64.45,19.41) ; v1(18.49,58.72) 18.67,58.9 U20.2 ; U3.1 47.13,30.25 46.91,30.03 44.31,30.03 v1(43.72,29.43) ; U42.2 v1(14.37,70.69) ; U46.2 v1(50.75,68.88) ; J14.2 v1(99.13,80.71) ; U25.2 v1(63.45,71.83)
  TOP w0.33: v1(76.1,40.09) 76.55,39.64 C61.2 ; U48.A3 v1(72.13,47.39) ; U5.B7 75.28,37.33 v1(74.81,37.33) ; U48.D7 v1(75.21,44.77) ; U5.J1 v1(70.53,30.88) ; U5.E3 v1(72.13,34.08) ; U48.E3 v1(72.13,43.39) ; U48.A1 70.71,47.2 v1(69.62,47.2) ; U48.J1 v1(70.53,40.19) ; U5.A3 v1(72.93,38.08) ; U48.C3 v1(72.13,45.79) ; v1(75.19,45.35) 75.19,45.88 75.43,46.16 U48.B7 ; U5.A1 v1(70.53,38.08) ; U5.D7 v1(75.02,35.98) ; U5.C3 v1(73.09,36.08)
  TOP w0.356: J12.17 28.44,76.7 ; J12.17 24.33,74.96 ; J12.17 29.09,74.96 ; J12.17 26.71,72.59 ; J12.17 24.98,73.23 ; J12.17 28.44,73.23 ; J12.17 26.71,77.34 ; J12.17 24.98,76.7 ; J12.16 53.44,76.7 ; J12.16 53.44,73.23 ; J12.16 54.09,74.96 ; J12.16 51.71,72.59 ; J12.16 51.71,77.34 ; J12.16 49.98,76.7 ; J12.16 49.98,73.23 ; J12.16 49.33,74.96 ; J12.6 34.51,74.96 ; J12.6 33.49,73.94 ; J12.6 33.49,75.99 ; J12.6 34.26,74.19 ; J12.6 34.26,75.74 ; J12.6 32.71,75.74 ; J12.6 32.46,74.96 ; J19.1 83.62,78.91 ; J19.1 82.84,77.73 ; J19.1 83.62,80.09 ; J19.1 82.07,78.91 ; J19.1 82.07,77.73 ; J19.1 82.84,80.09 ; J19.1 83.62,77.73 ; J19.1 82.07,80.09 ; J12.5 44.57,73.76 ; J12.5 42.76,72.98 ; J12.5 43.79,71.96 ; J12.5 43.01,73.76 ; J12.5 43.01,72.21 ; J12.5 43.79,74.01 ; J12.5 44.57,72.21 ; J12.7 36.55,74.19 ; J12.7 36.8,74.96 ; J12.7 35.78,75.99 ; J12.7 35.78,73.94 ; J12.7 36.55,75.74 ; J12.7 34.75,74.96 ; J12.7 35,75.74 ; J12.7 35,74.19 ; 56.12,80.69 J11.9 ; J11.9 58.66,83.24 ; J11.9 58.66,80.69 ; J11.9 56.12,83.24 ; J11.9 55.66,81.97 ; J11.9 59.12,81.97 ; J11.9 57.39,83.69 ; J11.9 57.39,80.24 ; 40.25,52.09 J4.4 ; J4.4 39.51,52.32 ; J4.4 39.27,53.07 ; J4.4 40.99,53.81 ; J4.4 40.25,54.04 ; J4.4 40.99,52.32 ; J4.4 41.23,53.07 ; J8.10 4.15,31.58 ; J8.10 3.4,31.81 ; J8.10 2.66,30.09 ; J8.10 4.38,30.84 ; J8.10 2.66,31.58 ; J8.10 3.4,29.86 ; J8.10 4.15,30.09 ; J8.10 2.43,30.84 ; J8.2 4.15,21.42 ; J8.2 3.4,19.7 ; J8.2 4.15,19.93 ; J8.2 2.66,19.93 ; J8.2 2.43,20.68 ; J8.2 2.66,21.42 ; J8.2 4.38,20.68 ; J8.2 3.4,21.65 ; 73.43,82.01 J19.4 ; J19.4 74.2,82.01 ; J19.4 74.98,84.17 ; J19.4 73.43,83.09 ; J19.4 74.2,84.17 ; J19.4 74.98,82.01 ; J19.4 74.98,83.09 ; J19.4 73.43,84.17 ; J19.3 83.62,84.17 ; J19.3 82.07,83.09 ; J19.3 82.07,82.01 ; J19.3 82.84,82.01 ; J19.3 82.84,84.17 ; J19.3 83.62,83.09 ; J19.3 82.07,84.17 ; J11.8 72.82,81.97 ; J11.8 72.36,83.24 ; J11.8 69.36,81.97 ; J11.8 69.82,83.24 ; J11.8 69.82,80.69 ; J11.8 71.09,80.24 ; J11.8 72.36,80.69 ; J11.8 71.09,83.69 ; J11.3 61.58,77.94 ; J11.3 61.82,78.69 ; J11.3 60.1,79.43 ; J11.3 60.84,79.67 ; J11.3 61.58,79.43 ; J11.3 59.86,78.69 ; J11.3 60.84,77.71 ; J11.3 60.1,77.94 ; J11.7 65.51,81.69 ; J11.7 62.51,82.96 ; J11.7 62.97,84.24 ; J11.7 64.24,81.24 ; J11.7 62.97,81.69 ; J11.7 64.24,84.69 ; J11.7 65.97,82.96 ; J11.7 65.51,84.24 ; J12.8 39.09,74.96 ; J12.8 37.04,74.96 ; J12.8 38.07,73.94 ; J12.8 38.07,75.99 ; J12.8 38.84,74.19 ; J12.8 38.84,75.74 ; J12.8 37.29,75.74 ; J12.8 37.29,74.19 ; J19.2 74.98,80.09 ; J19.2 74.98,78.91 ; J19.2 73.43,80.09 ; J19.2 74.2,77.73 ; J19.2 73.43,78.91 ; J19.2 74.98,77.73 ; J19.2 74.2,80.09 ; J19.2 73.43,77.73 ; 41.62,74.96 J12.10 ; J12.10 43.42,75.74 ; J12.10 41.87,75.74 ; J12.10 42.65,73.94 ; J12.10 43.42,74.19 ; J12.10 43.67,74.96 ; J12.10 41.87,74.19 ; J12.10 42.65,75.99 ; 57.84,1.74 J1.3 ; J1.3 57.45,1.74 ; J1.3 57.45,2.82 ; J1.3 57.45,3.89 ; J2.4 41.23,39.39 ; J2.4 39.51,38.64 ; J2.4 39.27,39.39 ; J2.4 40.99,40.13 ; J2.4 40.25,38.41 ; J2.4 40.99,38.64 ; J2.4 40.25,40.36 ; 57.45,7 J1.1 ; J1.1 57.84,5.82 ; J1.1 57.45,8.17 ; J1.1 57.45,5.82